# KiCad board mackerel-30-v1.kicad_pcb (continued)
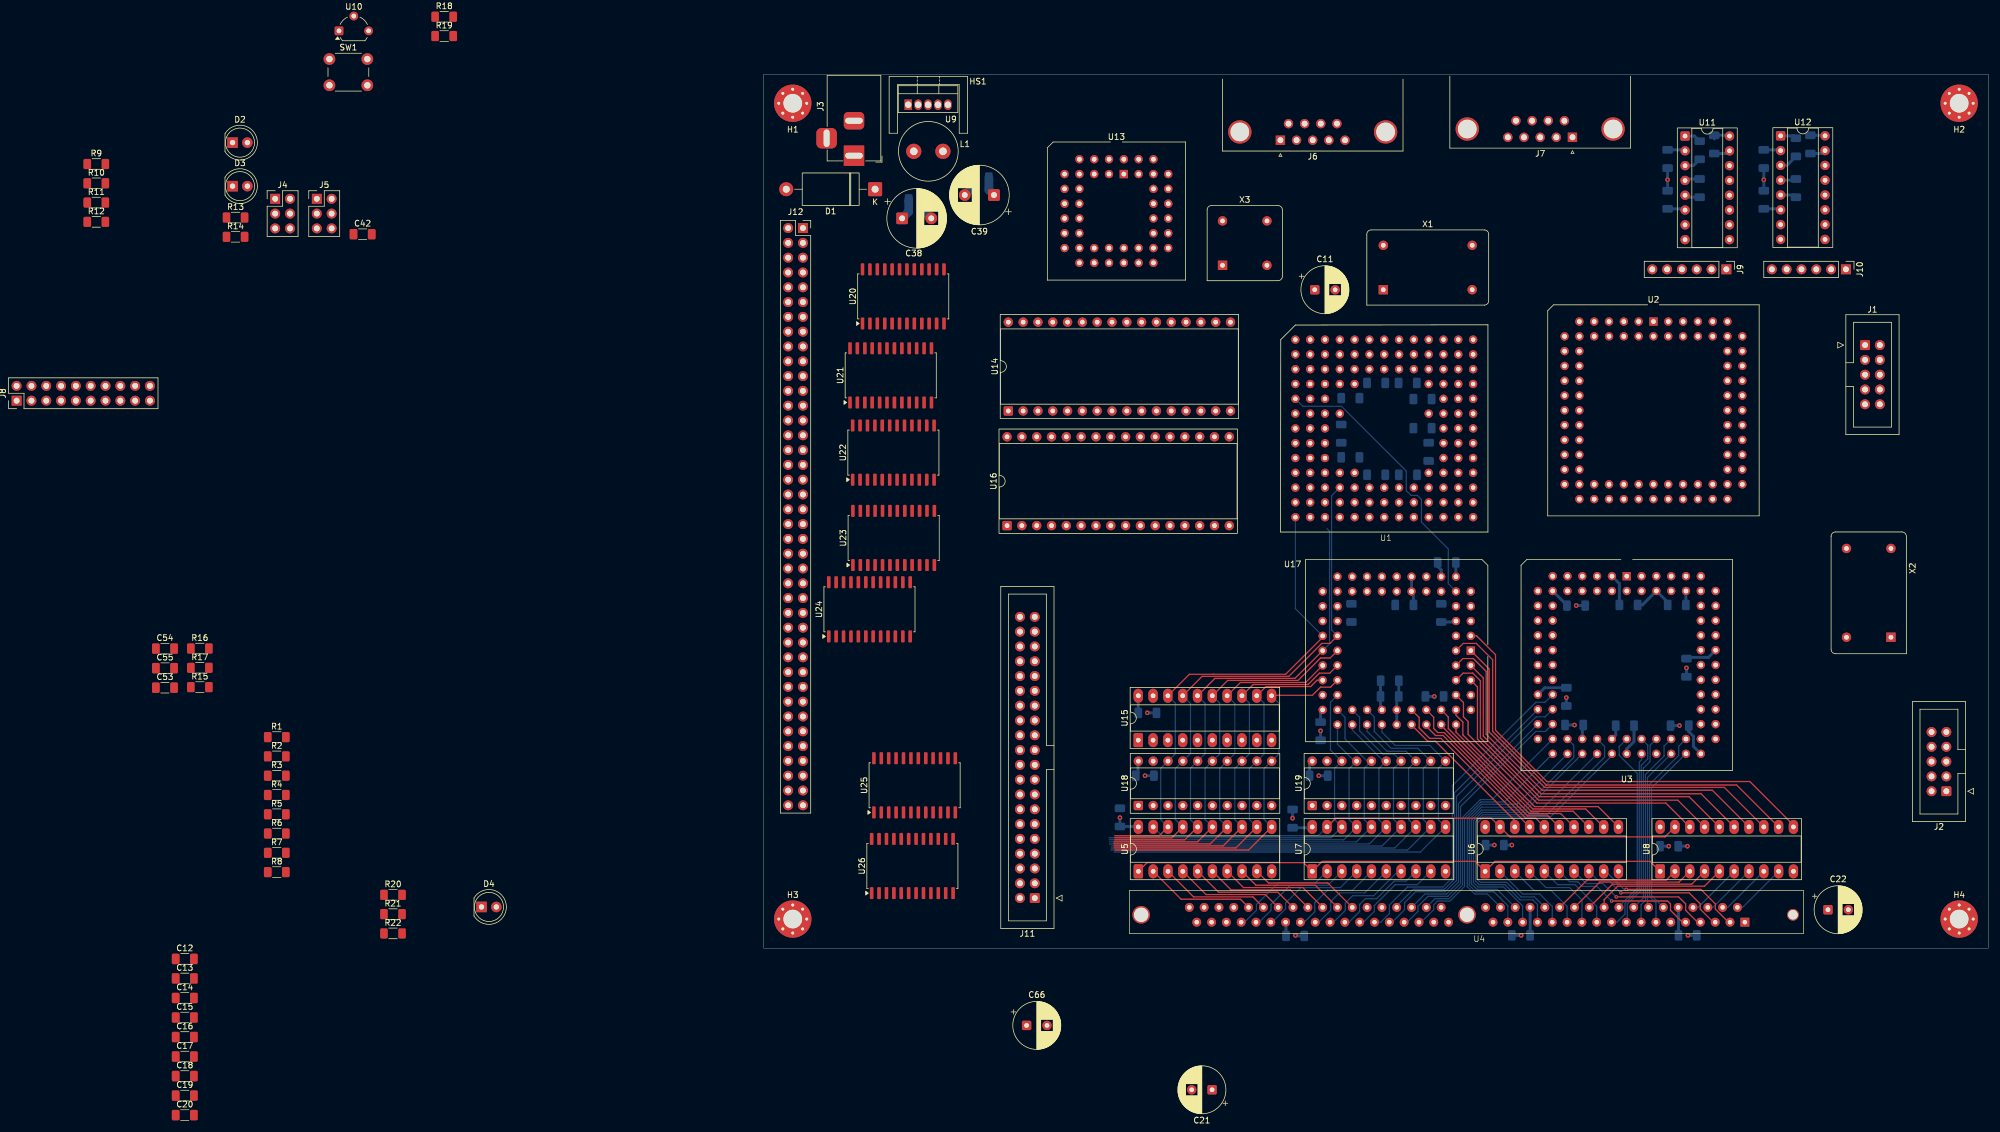
[diagram p0: board, top side]
## Routing (per net, layer and track width the routed paths; a pad name or vN(x,y) marks a point on that pad's centre or on a via; arc(x,y) is an arc through that point) (continued)
Net-(U11-VS+): length 3.1
  Bottom w0.5: C49.1 157.84,137 U11.2
Net-(U11-VS-): length 3.1
  Bottom w0.5: C50.2 157.8,126.88 U11.6
Net-(U12-C1+): length 2.8
  Bottom w0.5: U12.1 176.59,139.41 C46.1
Net-(U12-C1-): length 3.3
  Bottom w0.5: U12.3 175.46,134.34 C46.2
Net-(U12-C2+): length 2.7
  Bottom w0.5: U12.4 176.79,131.8 C48.1
Net-(U12-C2-): length 2.8
  Bottom w0.5: 174.38,129.25 176.62,129.25 C48.2
Net-(U12-VS+): length 2.9
  Bottom w0.5: C51.1 174.25,137 U12.2
Net-(U12-VS-): length 2.9
  Bottom w0.5: U12.6 174.22,126.88 C52.2

## Copper pours and planes (outline as drawn; the poured copper is in the pictures)
+5V on In1.Cu: -5.25,155 214,154 215,-5 -4.5,-4.75
GND on In2.Cu: -7,157.25 219,157 219.25,-9.25 -8.75,-9.5
